# Altium PCB gateway.PcbDoc (part 1 of 4) (continued)
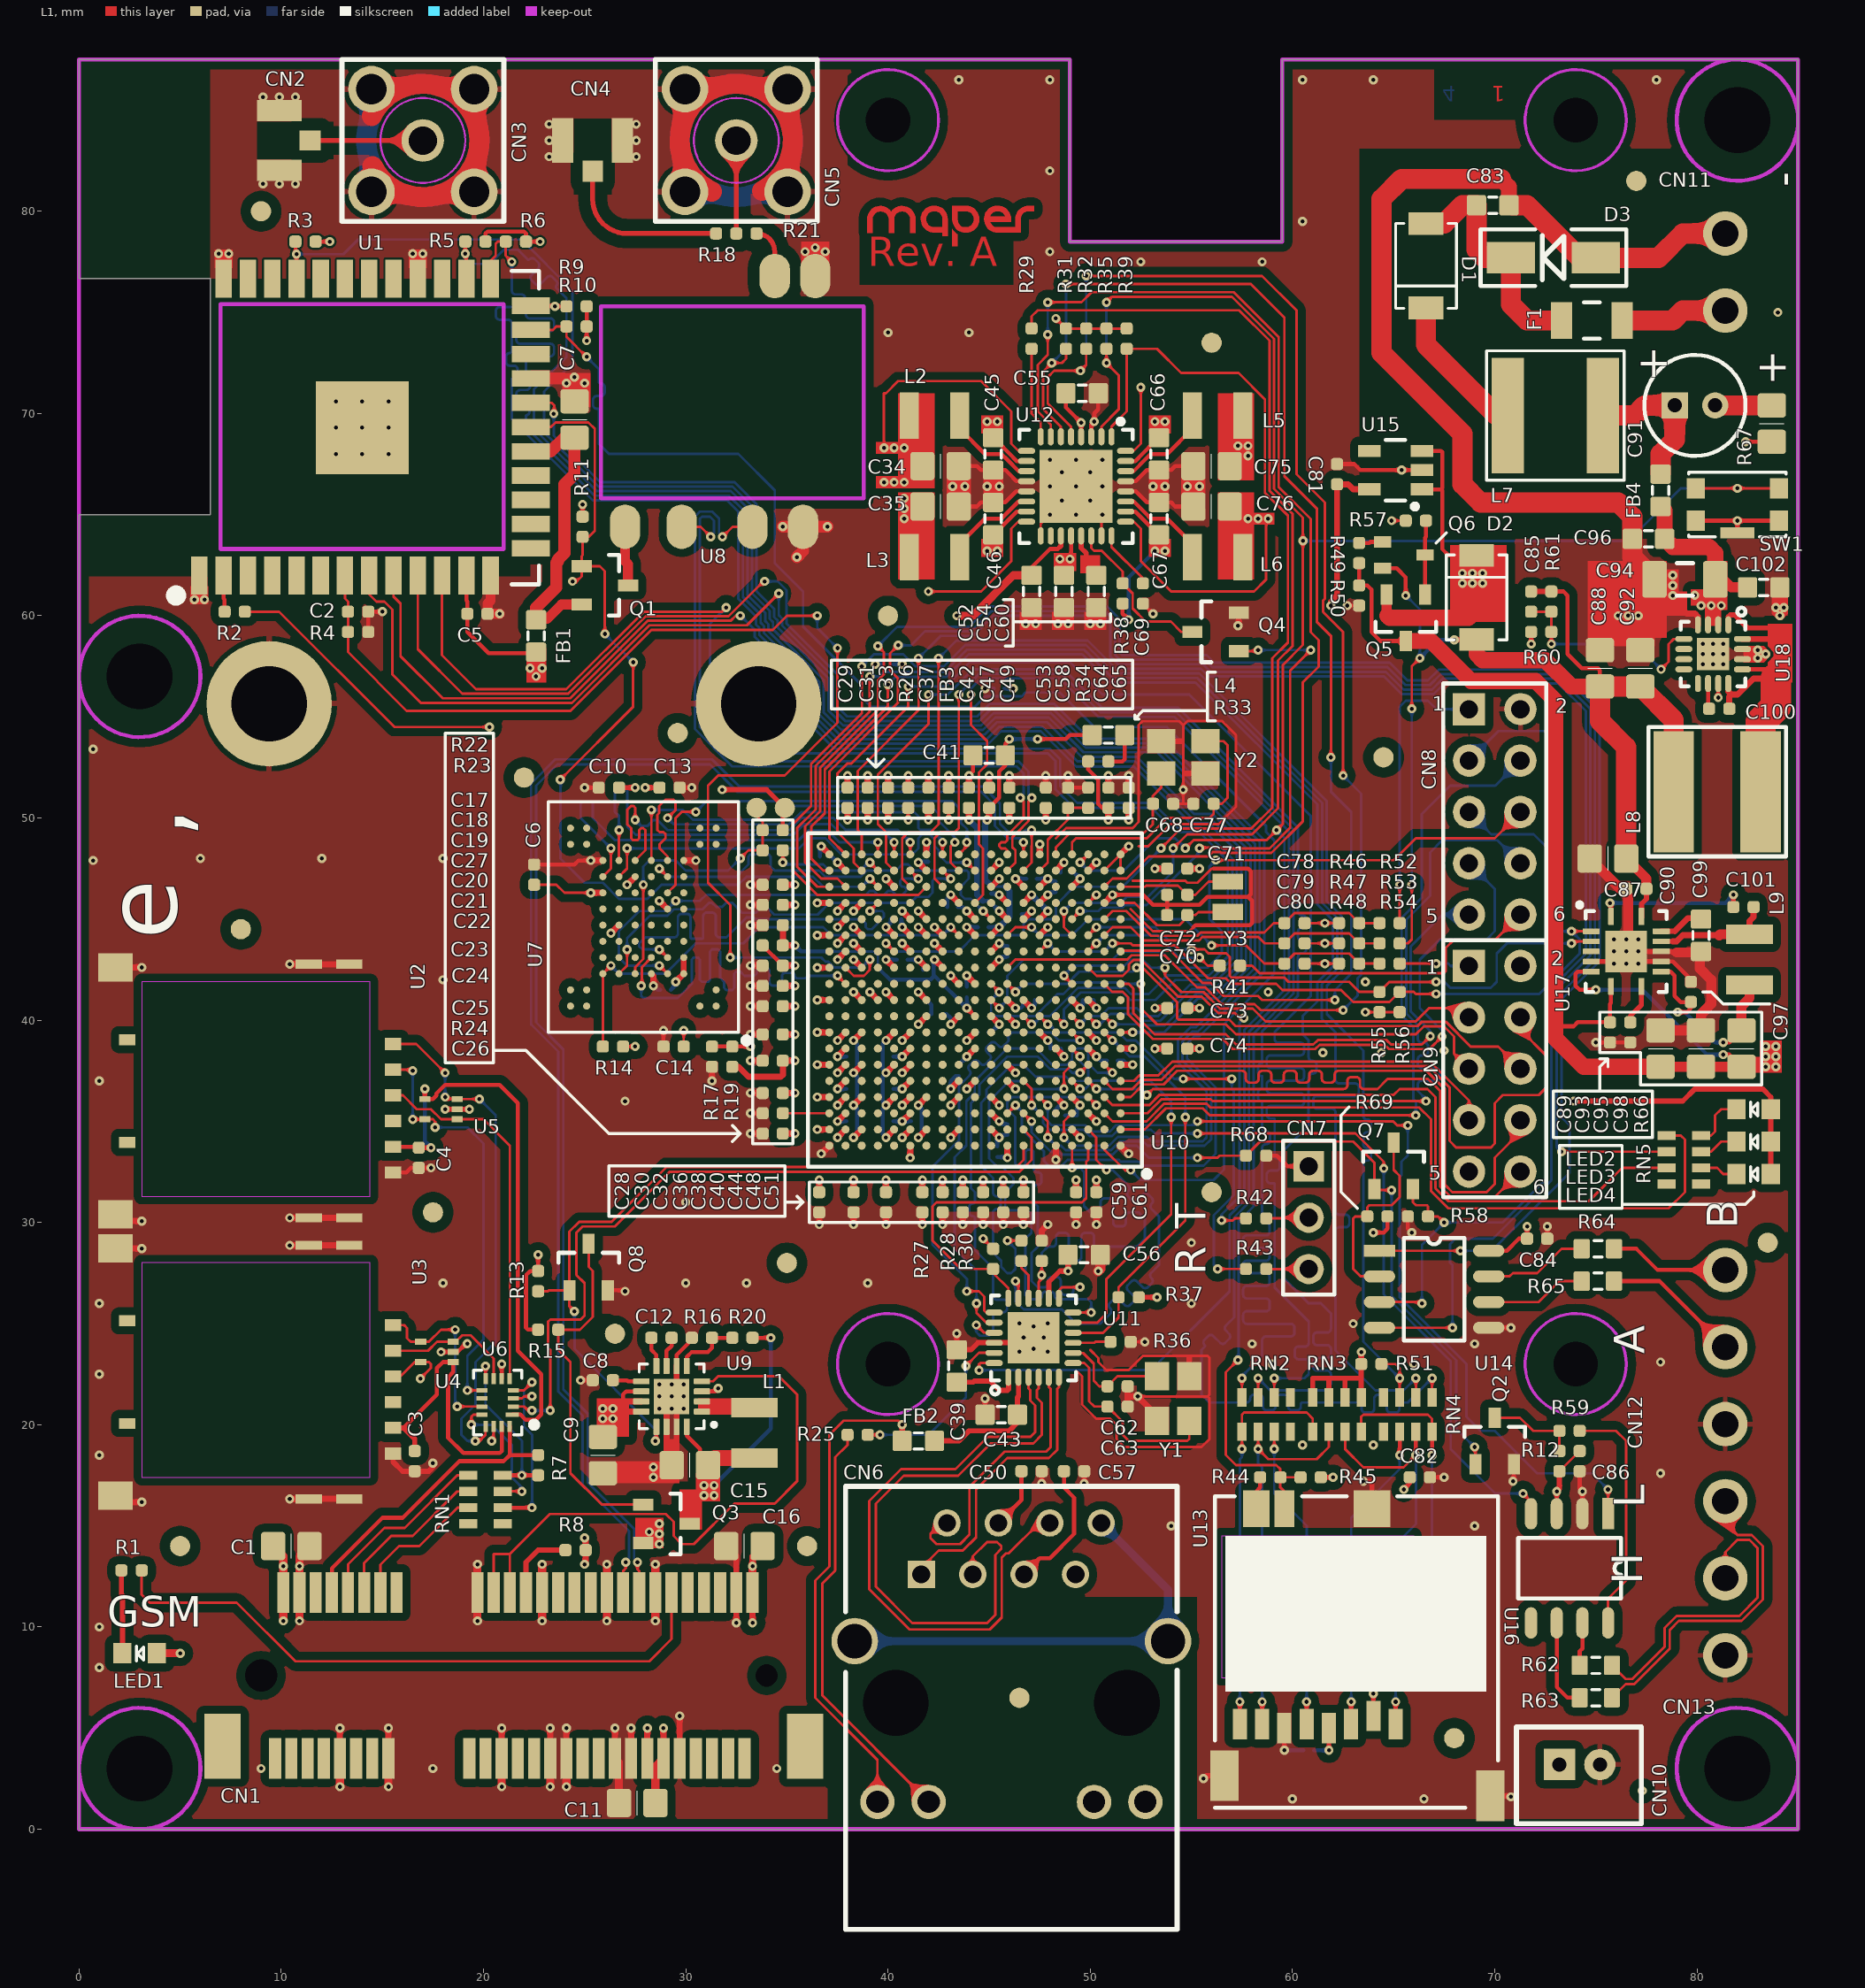
[diagram p0: L1 view]
## Components (designator, comment, footprint, x,y, rotation, side; value= is the part's Value field where it differs from the comment) (continued)
FB1 "CIS10P700AC" INDC1608X95N 22.6,59 r90 top
FB2 "CIS10P221NC" INDC1608X95N 41.5,19.2 r0 top
FB3 "BLM15AX121SN1D" INDC1005N 43,51 r270 top
FB4 "CIS10P700AC" INDC1608X95N 78.2,66.2 r270 top
L1 "1uH Irms=3.1A Isat=4.8A" INDC2520N 33.4,19.6 r270 top value=1uH
L2 "1.5uH Irms=2.6A Isat=3.7A" INDC2520N 42.3,69.9 r180 top value=1.5uH
L3 "1.5uH Irms=2.6A Isat=3.7A" INDC2520N 42.3,62.9 r180 top value=1.5uH
L4 "10uH Irms=300mA Isat=60mA Rdc=0.6R" INDC1608X95N 50.9,54.1 r180 top value=10uH
L5 "1.5uH Irms=2.6A Isat=3.7A" INDC2520N 56.3,69.9 r0 top value=1.5uH
L6 "1.5uH Irms=2.6A Isat=3.7A" INDC2520N 56.3,62.9 r0 top value=1.5uH
L7 "10uH Irms=? Isat=2.5A" NR6045 73,69.9 r0 top value=10uH
L8 "4.7uH Irms=? Isat=3.8A" SRN6045 81,51.3 r180 top value=4.7uH
L9 "1uH Irms=3.1A Isat=4.8A" INDC2520N 82.6,43 r270 top value=1uH
LED1 "LED (red)" LEDC1608N 3,8.7 r180 top
LED2 "LED (green)" LEDC1608N 82.8,35.6 r180 top
LED3 "LED (green)" LEDC1608N 82.8,34 r180 top
LED4 "LED (green)" LEDC1608N 82.8,32.4 r180 top
Q1 "Si2365EDS-T1-GE3" SOT95P230X110-3N 26,61.5 r0 top
Q2 "BSS138P,215" SOT95P230X110-3N 70,19.2 r90 top
Q3 "Si2365EDS-T1-GE3" SOT95P230X110-3N 29.05,15.1 r0 top
Q4 "BSS138P,215" SOT95P230X110-3N 56.2,59.2 r180 top
Q5 "Si2365EDS-T1-GE3" SOT95P230X110-3N 65.6,59.9 r270 top
Q6 "BC857BW,135" SOT65P210X110-3N 65.5,63 r0 top
Q7 "BSS138P,215" SOT95P230X110-3N 65,32.8 r90 top
Q8 "BSS138P,215" SOT95P230X110-3N 25.2,27.8 r90 top
R1 "240R 1% 50mW" RESC1005X40N 2.6,12.8 r180 top value=240R
R2 "75k 1% 50mW" RESC1005X40N 7.7,60.2 r0 top value=75k
R3 "10k 1% 50mW" RESC1005X40N 11.2,78.5 r180 top value=10k
R4 "10k 1% 50mW" RESC1005X40N 13.8,59.2 r0 top value=10k
R5 "75k 1% 50mW" RESC1005X40N 19.6,78.5 r180 top value=75k
R6 "75k 1% 50mW" RESC1005X40N 21.6,78.5 r180 top value=75k
R7 "10k 1% 50mW" RESC1005X40N 22.7,18 r270 top value=10k
R8 "0R 50mW" RESC1005X40N 24.55,13.8 r0 top value=0R
R9 "75k 1% 50mW" RESC1005X40N 24.6,75.3 r180 top value=75k
R10 "10k 1% 50mW" RESC1005X40N 24.6,74.3 r180 top value=10k
R11 "10k 1% 50mW" RESC1005X40N 24.9,64.4 r90 top value=10k
R12 "24k 1% 50mW" RESC1005X40N 73.7,18.7 r180 top value=24k
R13 "10k 1% 50mW" RESC1005X40N 22.7,27.1 r270 top value=10k
R14 "10k 1% 50mW" RESC1005X40N 26.4,38.7 r0 top value=10k
R15 "75k 1% 50mW" RESC1005X40N 23.2,24.7 r180 top value=75k
R16 "24k 1% 50mW" RESC1005X40N 30.8,24.3 r180 top value=24k
R17 "1.8k 1% 50mW" RESC1005X40N 31.3,38.2 r90 top value=1.8k
R18 "0R 50mW" RESC1005X40N 32,78.9 r0 top value=0R
R19 "1.8k 1% 50mW" RESC1005X40N 32.3,38.2 r270 top value=1.8k
R20 "75k 1% 50mW" RESC1005X40N 32.8,24.3 r180 top value=75k
R21 "0R 50mW" RESC1005X40N 33,78.9 r180 top value=0R
R22 "75k 1% 50mW" RESC1005X40N 34.3,49.4 r0 top value=75k
R23 "1k 1% 50mW" RESC1005X40N 34.3,48.4 r0 top value=1k
R24 "240R 1% 50mW" RESC1005X40N 34.3,35.4 r0 top value=240R
R25 "240R 1% 50mW" RESC1005X40N 38.5,19.5 r0 top value=240R
R26 "2.2R 1% 50mW" RESC1005X40N 41,51 r270 top value=2.2R
R27 "10k 1% 50mW" RESC1005X40N 45.2,28.2 r270 top value=10k
R28 "27R 1% 50mW" RESC1005X40N 46.6,28.6 r90 top value=27R
R29 "1k 1% 50mW" RESC1005X40N 47.1,73.7 r270 top value=1k
R30 "10k 1% 50mW" RESC1005X40N 47.6,28.6 r270 top value=10k
R31 "5.62k 1% 50mW" RESC1005X40N 48.8,73.7 r90 top value=5.62k
R32 "5.62k 1% 50mW" RESC1005X40N 49.8,73.7 r90 top value=5.62k
R33 "2.2R 1% 50mW" RESC1005X40N 50.4,52.8 r0 top value=2.2R
R34 "5.62k 1% 50mW" RESC1005X40N 49.9,51 r90 top value=5.62k
R35 "10k 1% 50mW" RESC1005X40N 50.8,73.7 r90 top value=10k
R36 "6.49k 1% 50mW" RESC1005X40N 51.5,24.1 r180 top value=6.49k
R37 "1.8k 1% 50mW" RESC1005X40N 51.9,26.3 r180 top value=1.8k
R38 "75k 1% 50mW" RESC1005X40N 51.6,61.1 r270 top value=75k
R39 "10k 1% 50mW" RESC1005X40N 51.8,73.7 r90 top value=10k
R41 "27R 1% 50mW" RESC1005X40N 56.9,42.7 r0 top value=27R
R42 "240R 1% 50mW" RESC1005X40N 58.2,30.2 r0 top value=240R
R43 "240R 1% 50mW" RESC1005X40N 58.2,27.7 r0 top value=240R
R44 "0R 50mW" RESC1005X40N 58.9,17.4 r180 top value=0R
R45 "10k 1% 50mW" RESC1005X40N 60.9,17.4 r180 top value=10k
R46 "10k 1% 50mW" RESC1005X40N 62.8,44.8 r0 top value=10k
R47 "10k 1% 50mW" RESC1005X40N 62.8,43.8 r0 top value=10k
R48 "75k 1% 50mW" RESC1005X40N 62.8,42.8 r0 top value=75k
R49 "24k 1% 50mW" RESC1005X40N 63.3,63.1 r270 top value=24k
R50 "75k 1% 50mW" RESC1005X40N 63.3,61 r270 top value=75k
R51 "10k 1% 50mW" RESC1005X40N 63.9,23 r0 top value=10k
R52 "75k 1% 50mW" RESC1005X40N 64.8,44.8 r0 top value=75k
R53 "10k 1% 50mW" RESC1005X40N 64.8,43.8 r0 top value=10k
R54 "75k 1% 50mW" RESC1005X40N 64.8,42.8 r0 top value=75k
R55 "5.62k 1% 50mW" RESC1005X40N 64.3,40.9 r270 top value=5.62k
R56 "5.62k 1% 50mW" RESC1005X40N 65.3,40.9 r270 top value=5.62k
R57 "24k 1% 50mW" RESC1005X40N 66.1,64.7 r180 top value=24k
R58 "10k 1% 50mW" RESC1005X40N 66.2,30.3 r0 top value=10k
R59 "24k 1% 50mW" RESC1005X40N 73.7,19.7 r0 top value=24k
R60 "1.8k 1% 50mW" RESC1005X40N 72.3,59.2 r0 top value=1.8k
R61 "8.2k 1% 50mW" RESC1005X40N 72.8,60.7 r90 top value=8.2k
R62 "10R 1% 100mW" RESC1608X40N 75,8.1 r0 top value=10R
R63 "10R 1% 100mW" RESC1608X40N 75,6.5 r0 top value=10R
R64 "10R 1% 100mW" RESC1608X40N 75.1,28.7 r0 top value=10R
R65 "10R 1% 100mW" RESC1608X40N 75.1,27.1 r0 top value=10R
R66 "0.1R 1% 125mW" RESC2012X50N 82.2,38.6 r90 top value=0.1R
R67 "0.82R 1% 125mW" RESC2012X50N 83.7,69.5 r270 top value=0.82R
R68 "10k 1% 50mW" RESC1005X40N 58.2,33.3 r180 top value=10k
R69 "10k 1% 50mW" RESC1005X40N 64.2,30.3 r0 top value=10k
RN1 "27R 5% 250mW" YC164 20.1,16.3 r270 top value=27R
RN2 "27R 5% 250mW" YC164 58.7,20.5 r0 top value=27R
RN3 "100k 5% 250mW" YC164 62.2,20.5 r0 top value=100k
RN4 "27R 5% 250mW" YC164 65.7,20.5 r0 top value=27R
RN5 "330R 5% 250mW" YC164 79.35,33.1 r270 top value=330R
SW1 "KMR421GULCLFS" KMR4 82,65.5 r180 top
U1 "ATWILC3000-MR110UA" ATWILC3000-MR110CA 14,69.3 r90 top locked
U2 "786463001" 786463001 1.8,36.5 r180 top
U3 "786463001" 786463001 1.8,22.6 r180 top locked
U4 "DZQA5V6AXV5" SOTFL50P162X62-5N 17.7,23.6 r180 top
U5 "DZQA5V6AXV5" SOTFL50P162X62-5N 17.9,35.6 r180 top
U6 "NX3DV2567GU,115" XFQFN-16 20.7,21.1 r180 top
U7 "TC58NVG1S3HBAI4" VFBGA63-11X9 27.9,45.1 r180 top
U8 "RTL8188CUS module" GWF-7M01 38.8,64.5 r90 top
U9 "TLV62090RGTR" QFN50P300X300X100-17AN-2 29.3,21.4 r180 top
U10 "ATSAMA5D27C-LD2G-CU" TFBGA-361-16X16 44.3,41 r180 top locked
U11 "KSZ8081RNAIA-TR" QFN50P400X400X80-25N 47.2,24.3 r90 top
U12 "MCP16502TAC-E/S8B" QFN50P500X500X90-33N 49.3,66.4 r270 top
U13 "MEM2051-00-195-00-A" 101-00660-68-6+MEM2051-00-195-00-A_REVC 56.18,15.9 r0 top locked
U14 "ST3485EBDR" SOIC127P600X175-8N 67,26.7 r0 top
U15 "MCP1711T-30I/OT" SOT95P284X122-5N 65.1,67.2 r180 top
U16 "SN65HVD231DR" SOIC127P600X175-8N 73.7,12.9 r270 top
U17 "BQ24155RGYR" VQFN14 76.5,43.4 r0 top
U18 "TS30042-M000QFNR" QFN50P300X300X100-17AN 80.8,58.1 r270 top
Y1 "TSX-3225 25.0000MF10P-C0" XTAL3.2x2.5 54.1,21.3 r270 top value="25MHz 20ppm CL=18pF ESR=40ohm"
Y2 "ECS-120-12-33-AGN-TR" XTAL3.2x2.5 54.6,53 r0 top value="12MHz 20ppm CL=12pF ESR=100ohm"
Y3 "CM8V-T1A-32.768kHz-12.5pF-20PPM-TA-QC" XTAL2.0x1.2 56.8,46.1 r90 top value="32.768kHz 12.5pF"

## Footprints (in the part's own frame and the unit in brackets; to place one, negate y for a bottom-side part, rotate by r counter-clockwise, add the part's x,y. Pads: shape width x height; smd on the part's side, far side on the other; paste and mask are expansions set on the pad)
101-00660-68-6+MEM2051-00-195-00-A_REVC [mm] "FCI microSD connector"
  rect 0.7x1.5 smd: 1(8.92,-10.7) 2(7.82,-10.3) 3(6.72,-10.7) 4(5.62,-10.9) 5(4.52,-10.7) 6(3.42,-10.9) 7(2.32,-10.7) 8(1.22,-10.7)
  rect 1.3x1.8 smd: G1(2.03,-0.05)
  rect 1.4x2.5 smd: MH1(13.6,-14.25) MH2(0.45,-13.25)
  rect 1.8x1.8 smd: S1(7.75,-0.05)
  rect 1x1.8 smd: S2(3.42,-0.05)
  L1 keep-out region: 0.73,-5.67 9.43,-5.67 9.43,-3.37 0.73,-3.37
  silkscreen extent -0.02,-14.84 13.98,0.56, body extent -0.05,-20.1 14.05,0.6, height 1.95
2041262-1 [mm]
  rect 0.6x2 smd: 1(-11.8,-4.1) 2(-11.4,4.1) 3(-11,-4.1) 4(-10.6,4.1) 5(-10.2,-4.1) 6(-9.8,4.1) 7(-9.4,-4.1) 8(-9,4.1) 9(-8.6,-4.1) 10(-8.2,4.1) 11(-7.8,-4.1) 12(-7.4,4.1) 13(-7,-4.1) 14(-6.6,4.1) 15(-6.2,-4.1) 16(-5.8,4.1) 17(-2.2,-4.1) 18(-1.8,4.1) 19(-1.4,-4.1) 20(-1,4.1) 21(-0.6,-4.1) 22(-0.2,4.1) 23(0.2,-4.1) 24(0.6,4.1) 25(1,-4.1) 26(1.4,4.1) 27(1.8,-4.1) 28(2.2,4.1) 29(2.6,-4.1) 30(3,4.1) 31(3.4,-4.1) 32(3.8,4.1) 33(4.2,-4.1) 34(4.6,4.1) 35(5,-4.1) 36(5.4,4.1) 37(5.8,-4.1) 38(6.2,4.1) 39(6.6,-4.1) 40(7,4.1) 41(7.4,-4.1) 42(7.8,4.1) 43(8.2,-4.1) 44(8.6,4.1) 45(9,-4.1) 46(9.4,4.1) 47(9.8,-4.1) 48(10.2,4.1) 49(10.6,-4.1) 50(11,4.1) 51(11.4,-4.1) 52(11.8,4.1)
  rect 1.8x3.2 smd: H1(-14.4,-3.5) H2(14.4,-3.5)
  round 6.2 / inner round 0 / far side round 0 hole 3.73: S1(-12.1,48.05) S2(12.1,48.05)
  round 0 hole 1.6 unplated: ""(-12.5,0)
  round 0 hole 1.1 unplated: ""(12.5,0)
  body extent -15,-4.77 15,50.9, height 7.85
0733910320 [mm] "RPSMA"
  round 2.3 hole 1.5: 1(-2.54,2.54) 2(2.54,2.54) 3(2.54,-2.54) 4(-2.54,-2.54)
  round 2.1 hole 1.4: 5(0,0)
  silkscreen extent -4,-4 4,4, body extent -11.7,-3.2 3.2,3.2, height 9.6
786463001 [mm]
  rect 0.8x0.6 smd: 1(-13.73,2.755) 2(-13.73,0.215) 3(-13.73,-2.325) 5(-13.73,4.025) 6(-13.73,1.485) 7(-13.73,-1.055)
  rect 1.7x1.4 smd: G1(0,6.1) G6(0,-6.11)
  rect 1.3x0.45 smd: G2(-9.56,6.27) G3(-11.56,6.27) G4(-11.56,-6.27) G5(-9.56,-6.27)
  rect 0.8x0.54 smd: X1(-0.58,2.54) X1(-0.58,-2.54)
  body extent -14.15,-6.54 1.3,6.51, height 1.41
ATWILC3000-MR110CA [mm]
  rect 1.88x0.813 smd: 1(-7.31,8.05) 2(-7.31,6.85) 3(-7.31,5.65) 4(-7.31,4.45) 5(-7.31,3.25) 6(-7.31,2.05) 7(-7.31,0.85) 8(-7.31,-0.35) 9(-7.31,-1.55) 10(-7.31,-2.75) 11(-7.31,-3.95) 12(-7.31,-5.15) 13(-7.31,-6.35) 25(7.37,-6.35) 26(7.37,-5.15) 27(7.37,-3.95) 28(7.37,-2.75) 29(7.37,-1.55) 30(7.37,-0.35) 31(7.37,0.85) 32(7.37,2.05) 33(7.37,3.25) 34(7.37,4.45) 35(7.37,5.65) 36(7.37,6.85)
  rect 0.813x1.88 smd: 14(-5.97,-8.33) 15(-4.77,-8.33) 16(-3.57,-8.33) 17(-2.37,-8.33) 18(-1.17,-8.33) 19(0.03,-8.33) 20(1.23,-8.33) 21(2.43,-8.33) 22(3.63,-8.33) 23(4.83,-8.33) 24(6.03,-8.33)
  rect 4.6x4.6 smd paste-5: 37(0,0)
  silkscreen extent -8.55,-8.75 7.75,9.45, body extent -7.34,-8.33 7.34,14.05, height 2.73
B2B-PH-K-S(LF)(SN) [mm]
  rect 1.55x1.55 hole 0.7: 1(-1,0)
  round 1.55 hole 0.7: 2(1,0)
  silkscreen extent -3.12,-2.92 3.05,1.85, body extent -3,-2.77 2.9,1.73, height 6
CAPC0603N [mm] "Chip Capacitor, 2-Leads, Body 0.6x0.3mm, IPC Medium Density"
  rrect50% 0.275x0.3 smd mask+0.05: 1(-0.262,0) 2(0.262,0)
  body extent -0.3,-0.15 0.3,0.15, height 0.28
CAPC1005N [mm] "Chip Capacitor, Body 1.0x0.5mm, IPC Medium Density"
  rrect50% 0.6x0.6 smd: 1(-0.5,0) 2(0.5,0)
  body extent -0.5,-0.25 0.5,0.25, height 0.5
CAPC1608X90N [mm] "Chip Capacitor, Body 1.6x0.8mm, IPC Medium Density"
  rrect20% 0.95x1 smd: 1(-0.8,0) 2(0.8,0)
  silkscreen extent -0.2,-0.4 0.2,0.4, body extent -0.85,-0.48 0.85,0.48, height 0.9
CAPC2012X140N [mm] "Chip Resistor, Body 2.0x1.3mm, IPC Medium Density"
  rrect25% 1.2x1.4 smd: 1(-0.9,0) 2(0.9,0)
  silkscreen extent 0,-0.6 0,0.6, body extent -1.07,-0.7 1.07,0.7, height 1.4
CAPC3216X180N [mm] "Chip Capacitor, Body 3.2x1.6mm, IPC Medium Density"
  rrect20% 1.2x1.8 smd: 1(-1.5,0) 2(1.5,0)
  silkscreen extent -0.4,-0.8 0.4,0.8, body extent -1.68,-0.87 1.68,0.87, height 1.8
CAPPR2-5x12 [mm] "Capacitor, Electrolytic, Radial; Body 5 x 12 mm (Dia.xH typ); Pin Spacing 2 mm (typ)"
  rect 1.3x1.3 hole 0.7: 1(-1,0)
  round 1.3 hole 0.7: 2(1,0)
  silkscreen extent -2.5,-2.5 2.5,2.5, body extent -2.49,-2.5 2.49,2.49, height 12
DIOM5226X203N [mm] "DO-214-AC/SMA; 2 C-Bend Leads; Body 5.3 x 2.6 mm, inc. leads (LxW)"
  rect 2.4x1.55 smd: 1(-2.1,0) 2(2.1,0)
  silkscreen extent -3.6,-1.4 3.6,1.4, body extent -2.7,-1.3 2.7,1.3, height 2.03
EK381-02P [mm]
  round 2.2 hole 1.3: 1L(0,0) 2L(3.81,0)
  body extent -1.91,-3.6 5.71,3.8, height 8.5
EK381-03P [mm]
  round 2.2 hole 1.3: 1L(0,0) 2L(3.81,0) 3L(7.62,0)
  body extent -1.91,-3.6 9.52,3.8, height 8.5
GWF-7M01 [mm]
  oval 2.2x1.5 smd: 1(-0.1,11.8) 2(-0.1,9) 3(-0.1,5.5) 4(-0.1,3) 5(12.3,2.4) 6(12.3,4.4)
  body extent 0,0 12.2,13, height 2
HDR1X3 [mm] "Connector; Header; 3x1 Position"
  rect 1.5x1.5 hole 0.9: 1(0,0)
  round 1.5 hole 0.9: 2(2.54,0) 3(5.08,0)
  silkscreen extent -1.27,-1.27 6.35,1.27
"HDR2x5-0.1\"" [mm] "TH FEMALE PIN H8.1 P2.54"
  rect 1.6x1.6 hole 0.9: 1(-5.08,-1.27)
  round 1.6 hole 0.9: 2(-5.08,1.27) 3(-2.54,-1.27) 4(-2.54,1.27) 5(0,-1.27) 6(0,1.27) 7(2.54,-1.27) 8(2.54,1.27) 9(5.08,-1.27) 10(5.08,1.27)
  silkscreen extent -6.35,-2.54 6.35,2.54, body extent -6.29,-2.54 6.41,2.54, height 8.38
HR911105A [mm]
  rect 1.35x1.35 hole 0.89: 1(4.45,-6.35)
  round 1.35 hole 0.89: 2(3.18,-8.89) 3(1.91,-6.35) 4(0.64,-8.89) 5(-0.63,-6.35) 6(-1.9,-8.89) 7(-3.17,-6.35) 8(-4.44,-8.89)
  round 1.7 hole 1.1: 9(6.625,4.9) 10(4.085,4.9) 11(-4.085,4.9) 12(-6.625,4.9)
  round 2.3 hole 1.7: 13(7.745,-3.05) 14(-7.745,-3.05)
  round 0 hole 3.25 unplated: ""(-5.715,0) ""(5.715,0)
  silkscreen extent -8.2,-10.7 8.2,11.2, body extent -7.95,-10.45 7.93,10.95, height 13.5
INDC1005N [mm] "Chip Inductor, Body 1.0x0.5mm, IPC Medium Density"
  rrect50% 0.6x0.6 smd: 1(-0.5,0) 2(0.5,0)
  body extent -0.5,-0.25 0.5,0.25, height 0.5
INDC1608X95N [mm] "Chip Inductor, Body 1.6x0.8mm, IPC Medium Density"
  rrect20% 0.95x1 smd: 1(-0.8,0) 2(0.8,0)
  silkscreen extent -0.2,-0.4 0.2,0.4, body extent -0.85,-0.48 0.85,0.48, height 0.95
INDC2520N [mm] "Chip Inductor, Body 2.5x2.0mm, IPC Medium Density"
  rect 0.95x2.3 smd: 1(-1.25,0) 2(1.25,0)
  body extent -1.3,-1 1.3,1, height 0.65
KMR4 [mm]
  rect 1.7x0.55 smd: 0(0,1.4)
  rect 0.9x1 smd: 1(-2.05,-0.8) 2(2.05,-0.8) 3(2.05,0.8) 4(-2.05,0.8)
  silkscreen extent -2.4,-1.6 2.4,1.6, body extent -2.3,-1.4 2.3,1.4, height 1.89
LEDC1608N [mm] "Chip LED, Body 1.6x0.8mm, IPC Medium Density"
  rect 0.9x1 smd: 1(-0.85,0) 2(0.85,0)
  silkscreen extent -0.2,-0.35 0.15,0.38, body extent -0.85,-0.48 0.85,0.48, height 0.6
NR6045 [mm]
  rect 1.6x5.7 smd: 1(-2.35,0) 2(2.35,0)
  silkscreen extent -3.4,-3.2 3.4,3.2, body extent -3.1,-3.1 3.1,3.1, height 4.5
QFN50P300X300X100-17AN [mm]
  rect 1.6x1.6 smd paste-100: 0(0,0)
  oval 0.85x0.3 smd: 1(-1.45,0.75) 2(-1.45,0.25) 3(-1.45,-0.25) 4(-1.45,-0.75) 9(1.45,-0.75) 10(1.45,-0.25) 11(1.45,0.25) 12(1.45,0.75)
  oval 0.3x0.85 smd: 5(-0.75,-1.45) 6(-0.25,-1.45) 7(0.25,-1.45) 8(0.75,-1.45) 13(0.75,1.45) 14(0.25,1.45) 15(-0.25,1.45) 16(-0.75,1.45)
  silkscreen extent -2.3,-1.6 1.6,1.6, body extent -1.5,-1.5 1.5,1.5, height 0.8
QFN50P300X300X100-17AN-2 [mm]
  rect 1.75x1.75 smd paste-100: 0(0,0)
  rrect25% 0.8x0.3 smd paste-0.03 mask+0.07: 1(-1.5,0.75) 2(-1.5,0.25) 3(-1.5,-0.25) 4(-1.5,-0.75) 9(1.5,-0.75) 10(1.5,-0.25) 11(1.5,0.25) 12(1.5,0.75)
  rrect25% 0.3x0.8 smd paste-0.03 mask+0.07: 5(-0.75,-1.5) 6(-0.25,-1.5) 7(0.25,-1.5) 8(0.75,-1.5) 13(0.75,1.5) 14(0.25,1.5) 15(-0.25,1.5) 16(-0.75,1.5)
  silkscreen extent -2.2,-1.6 1.6,1.6, body extent -1.5,-1.5 1.5,1.5, height 1
QFN50P400X400X80-25N [mm] "QFN,0.50mm pitch,square;24 pin,4.00mm L X 4.00mm W X 0.75mm H body (w/thermal tab)"
  rect 2.55x2.55 smd paste-5: 0(0,0)
  oval 0.85x0.3 smd: 1(-1.95,1.25) 2(-1.95,0.75) 3(-1.95,0.25) 4(-1.95,-0.25) 5(-1.95,-0.75) 6(-1.95,-1.25) 13(1.95,-1.25) 14(1.95,-0.75) 15(1.95,-0.25) 16(1.95,0.25) 17(1.95,0.75) 18(1.95,1.25)
  oval 0.3x0.85 smd: 7(-1.25,-1.95) 8(-0.75,-1.95) 9(-0.25,-1.95) 10(0.25,-1.95) 11(0.75,-1.95) 12(1.25,-1.95) 19(1.25,1.95) 20(0.75,1.95) 21(0.25,1.95) 22(-0.25,1.95) 23(-0.75,1.95) 24(-1.25,1.95)
  silkscreen extent -2.8,-2.1 2.1,2.1, body extent -2,-2 2,2, height 0.8
QFN50P500X500X90-33N [mm]
  rect 3.6x3.6 smd paste-1000: 0(0,0)
  oval 0.85x0.3 smd paste-0.05 mask+0.1: 1(-2.45,1.75) 2(-2.45,1.25) 3(-2.45,0.75) 4(-2.45,0.25) 5(-2.45,-0.25) 6(-2.45,-0.75) 7(-2.45,-1.25) 8(-2.45,-1.75) 17(2.45,-1.75) 18(2.45,-1.25) 19(2.45,-0.75) 20(2.45,-0.25) 21(2.45,0.25) 22(2.45,0.75) 23(2.45,1.25) 24(2.45,1.75)
  oval 0.3x0.85 smd paste-0.05 mask+0.1: 9(-1.75,-2.45) 10(-1.25,-2.45) 11(-0.75,-2.45) 12(-0.25,-2.45) 13(0.25,-2.45) 14(0.75,-2.45) 15(1.25,-2.45) 16(1.75,-2.45) 25(1.75,2.45) 26(1.25,2.45) 27(0.75,2.45) 28(0.25,2.45) 29(-0.25,2.45) 30(-0.75,2.45) 31(-1.25,2.45) 32(-1.75,2.45)
  silkscreen extent -3.32,-2.8 2.8,2.8, body extent -2.5,-2.5 2.5,2.5, height 0.8
RESC1005X40N [mm] "Chip Capacitor, Body 1.0x0.5mm, IPC Medium Density"
  rrect50% 0.6x0.6 smd: 1(-0.5,0) 2(0.5,0)
  body extent -0.5,-0.25 0.5,0.25, height 0.4
RESC1608X40N [mm] "Chip Resistor, Body 1.6x0.8mm, IPC Medium Density"
  rrect20% 0.8x0.95 smd: 1(-0.8,0) 2(0.8,0)
  silkscreen extent -0.2,-0.4 0.2,0.4, body extent -0.85,-0.48 0.85,0.48, height 0.4
RESC2012X50N [mm] "Chip Resistor, Body 2.0x1.3mm, IPC Medium Density"
  rrect25% 1.2x1.4 smd: 1(-0.9,0) 2(0.9,0)
  silkscreen extent 0,-0.6 0,0.6, body extent -1.07,-0.7 1.07,0.7, height 0.5
RESC3216N [mm] "1206; Resistor,Chip;3.15mm L X 1.60mm W X 0.60mm H"
  rect 1.05x1.8 smd: 1(-1.5,0) 2(1.5,0)
  silkscreen extent -0.4,-0.9 0.4,0.9, body extent -1.6,-0.8 1.6,0.8, height 0.71
SODFL4725X105N [mm] "SOD-128; SOD Diode;3.70mm W X 2.50mm L X 1.05mm H body"
  rect 1.12x1.72 smd: 1(2.08,0) 2(-2.08,0)
  silkscreen extent -2.1,-1.5 2.1,1.5, body extent -2,-1.4 2,1.4, height 1.5
SOIC127P600X175-8N [mm]
  rect 1.55x0.6 smd: 1(-2.7,1.905)
  oval 1.55x0.6 smd: 2(-2.7,0.635) 3(-2.7,-0.635) 4(-2.7,-1.905) 5(2.7,-1.905) 6(2.7,-0.635) 7(2.7,0.635) 8(2.7,1.905)
  silkscreen extent -1.5,-2.54 1.5,2.54, body extent -2,-2.5 2,2.5, height 1.75
SOT65P210X110-3N [mm] "SOT323, 0.65mm,pitch;3 pin,1.25mm W X 2.00mm L X 1.10mm H body"
  rect 0.85x0.55 smd: 1(-1.05,0.65) 2(-1.05,-0.65) 3(1.05,0)
  body extent -0.63,-1 0.63,1, height 1.1
SOT95P230X110-3N [mm] "SOT23, 3-Leads, Body 2.9x1.3mm, Pitch 0.95mm, Lead Span 2.5mm, IPC Medium Density"
  rect 1x0.6 smd: 1(-1.15,0.95) 2(-1.15,-0.95) 3(1.15,0)
  silkscreen extent 0.2,-1.5 0.7,1.5, body extent -0.7,-1.5 0.7,1.5, height 1.1
SOT95P284X122-5N [mm] "SOT23, 5-Leads"
  rect 1.1x0.6 smd: 1(-1.3,0.95) 2(-1.3,0) 3(-1.3,-0.95) 4(1.3,-0.95) 5(1.3,0.95)
  silkscreen extent -1.07,-1.5 0.5,1.92, body extent -0.7,-1.5 0.7,1.5, height 1.1
SOTFL50P162X62-5N [mm] "SOTFL,0.50mm,pitch;5 pin,1.175mm W X 1.60mm L X 0.62mm H body"
  rect 0.56x0.3 smd: 1(-0.8,0.5) 2(-0.8,0) 3(-0.8,-0.5) 4(0.8,-0.5) 5(0.8,0.5)
  body extent -0.8,-0.8 0.8,0.8, height 0.62
SRN6045 [mm]
  rect 2x6 smd: 1(-2.15,0) 2(2.15,0)
  silkscreen extent -3.4,-3.2 3.4,3.2, body extent -3,-3 3,3, height 1.8
TFBGA-361-16X16 [mm] "361-Ball TFBGA, 16.00mm x 16.00mm, pitch 0.80mm"
  round 0.4 smd mask+0.05: A1(-7.2,7.2) A2(-6.4,7.2) A3(-5.6,7.2) A4(-4.8,7.2) A5(-4,7.2) A6(-3.2,7.2) A7(-2.4,7.2) A8(-1.6,7.2) A9(-0.8,7.2) A10(0,7.2) A11(0.8,7.2) A12(1.6,7.2) A13(2.4,7.2) A14(3.2,7.2) A15(4,7.2) A16(4.8,7.2) A17(5.6,7.2) A18(6.4,7.2) A19(7.2,7.2) B1(-7.2,6.4) B2(-6.4,6.4) B3(-5.6,6.4) B4(-4.8,6.4) B5(-4,6.4) B6(-3.2,6.4) B7(-2.4,6.4) B8(-1.6,6.4) B9(-0.8,6.4) B10(0,6.4) B11(0.8,6.4) B12(1.6,6.4) B13(2.4,6.4) B14(3.2,6.4) B15(4,6.4) B16(4.8,6.4) B17(5.6,6.4) B18(6.4,6.4) B19(7.2,6.4) C1(-7.2,5.6) C2(-6.4,5.6) C3(-5.6,5.6) C4(-4.8,5.6) C5(-4,5.6) C6(-3.2,5.6) C7(-2.4,5.6) C8(-1.6,5.6) C9(-0.8,5.6) C10(0,5.6) C11(0.8,5.6) C12(1.6,5.6) C13(2.4,5.6) C14(3.2,5.6) C15(4,5.6) C16(4.8,5.6) C17(5.6,5.6) C18(6.4,5.6) C19(7.2,5.6) D1(-7.2,4.8) D2(-6.4,4.8) D3(-5.6,4.8) D4(-4.8,4.8) D5(-4,4.8) D6(-3.2,4.8) D7(-2.4,4.8) D8(-1.6,4.8) D9(-0.8,4.8) D10(0,4.8) D11(0.8,4.8) D12(1.6,4.8) D13(2.4,4.8) D14(3.2,4.8) D15(4,4.8) D16(4.8,4.8) D17(5.6,4.8) D18(6.4,4.8) D19(7.2,4.8) E1(-7.2,4) E2(-6.4,4) E3(-5.6,4) E4(-4.8,4) E5(-4,4) E6(-3.2,4) E7(-2.4,4) E8(-1.6,4) E9(-0.8,4) E10(0,4) E11(0.8,4) E12(1.6,4) E13(2.4,4) E14(3.2,4) E15(4,4) E16(4.8,4) E17(5.6,4) E18(6.4,4) E19(7.2,4) F1(-7.2,3.2) F2(-6.4,3.2) F3(-5.6,3.2) F4(-4.8,3.2) F5(-4,3.2) F6(-3.2,3.2) F7(-2.4,3.2) F8(-1.6,3.2) F9(-0.8,3.2) F10(0,3.2) F11(0.8,3.2) F12(1.6,3.2) F13(2.4,3.2) F14(3.2,3.2) F15(4,3.2) F16(4.8,3.2) F17(5.6,3.2) F18(6.4,3.2) F19(7.2,3.2) G1(-7.2,2.4) G2(-6.4,2.4) G3(-5.6,2.4) G4(-4.8,2.4) G5(-4,2.4) G6(-3.2,2.4) G7(-2.4,2.4) G8(-1.6,2.4) G9(-0.8,2.4) G10(0,2.4) G11(0.8,2.4) G12(1.6,2.4) G13(2.4,2.4) G14(3.2,2.4) G15(4,2.4) G16(4.8,2.4) G17(5.6,2.4) G18(6.4,2.4) G19(7.2,2.4) H1(-7.2,1.6) H2(-6.4,1.6) H3(-5.6,1.6) H4(-4.8,1.6) H5(-4,1.6) H6(-3.2,1.6) H7(-2.4,1.6) H8(-1.6,1.6) H9(-0.8,1.6) H10(0,1.6) H11(0.8,1.6) H12(1.6,1.6) H13(2.4,1.6) H14(3.2,1.6) H15(4,1.6) H16(4.8,1.6) H17(5.6,1.6) H18(6.4,1.6) H19(7.2,1.6) J1(-7.2,0.8) J2(-6.4,0.8) J3(-5.6,0.8) J4(-4.8,0.8) J5(-4,0.8) J6(-3.2,0.8) J7(-2.4,0.8) J8(-1.6,0.8) J9(-0.8,0.8) J10(0,0.8) J11(0.8,0.8) J12(1.6,0.8) J13(2.4,0.8) J14(3.2,0.8) J15(4,0.8) J16(4.8,0.8) J17(5.6,0.8) J18(6.4,0.8) J19(7.2,0.8) K1(-7.2,0) K2(-6.4,0) K3(-5.6,0) K4(-4.8,0) K5(-4,0) K6(-3.2,0) K7(-2.4,0) K8(-1.6,0) K9(-0.8,0) K10(0,0) K11(0.8,0) K12(1.6,0) K13(2.4,0) K14(3.2,0) K15(4,0) K16(4.8,0) K17(5.6,0) K18(6.4,0) K19(7.2,0) L1(-7.2,-0.8) L2(-6.4,-0.8) L3(-5.6,-0.8) L4(-4.8,-0.8) L5(-4,-0.8) L6(-3.2,-0.8) L7(-2.4,-0.8) L8(-1.6,-0.8) L9(-0.8,-0.8) L10(0,-0.8) L11(0.8,-0.8) L12(1.6,-0.8) L13(2.4,-0.8) L14(3.2,-0.8) L15(4,-0.8) L16(4.8,-0.8) L17(5.6,-0.8) L18(6.4,-0.8) L19(7.2,-0.8) M1(-7.2,-1.6) M2(-6.4,-1.6) M3(-5.6,-1.6) M4(-4.8,-1.6) M5(-4,-1.6) M6(-3.2,-1.6) M7(-2.4,-1.6) M8(-1.6,-1.6) M9(-0.8,-1.6) M10(0,-1.6) M11(0.8,-1.6) M12(1.6,-1.6) M13(2.4,-1.6) M14(3.2,-1.6) M15(4,-1.6) M16(4.8,-1.6) M17(5.6,-1.6) M18(6.4,-1.6) M19(7.2,-1.6) N1(-7.2,-2.4) N2(-6.4,-2.4) N3(-5.6,-2.4) N4(-4.8,-2.4) N5(-4,-2.4) N6(-3.2,-2.4) N7(-2.4,-2.4) N8(-1.6,-2.4) N9(-0.8,-2.4) N10(0,-2.4) N11(0.8,-2.4) N12(1.6,-2.4) N13(2.4,-2.4) N14(3.2,-2.4) N15(4,-2.4) N16(4.8,-2.4) N17(5.6,-2.4) N18(6.4,-2.4) N19(7.2,-2.4) P1(-7.2,-3.2) P2(-6.4,-3.2) P3(-5.6,-3.2) P4(-4.8,-3.2) P5(-4,-3.2) P6(-3.2,-3.2) P7(-2.4,-3.2) P8(-1.6,-3.2) P9(-0.8,-3.2) P10(0,-3.2) P11(0.8,-3.2) P12(1.6,-3.2) P13(2.4,-3.2) P14(3.2,-3.2) P15(4,-3.2) P16(4.8,-3.2) P17(5.6,-3.2) P18(6.4,-3.2) P19(7.2,-3.2) R1(-7.2,-4) R2(-6.4,-4) R3(-5.6,-4) R4(-4.8,-4) R5(-4,-4) R6(-3.2,-4) R7(-2.4,-4) R8(-1.6,-4) R9(-0.8,-4) R10(0,-4) R11(0.8,-4) R12(1.6,-4) R13(2.4,-4) R14(3.2,-4) R15(4,-4) R16(4.8,-4) R17(5.6,-4) R18(6.4,-4) R19(7.2,-4) T1(-7.2,-4.8) T2(-6.4,-4.8) T3(-5.6,-4.8) T4(-4.8,-4.8) T5(-4,-4.8) T6(-3.2,-4.8) T7(-2.4,-4.8) T8(-1.6,-4.8) T9(-0.8,-4.8) T10(0,-4.8) T11(0.8,-4.8) T12(1.6,-4.8) T13(2.4,-4.8) T14(3.2,-4.8) T15(4,-4.8) T16(4.8,-4.8) T17(5.6,-4.8) T18(6.4,-4.8) T19(7.2,-4.8) U1(-7.2,-5.6) U2(-6.4,-5.6) U3(-5.6,-5.6) U4(-4.8,-5.6) U5(-4,-5.6) U6(-3.2,-5.6) U7(-2.4,-5.6) U8(-1.6,-5.6) U9(-0.8,-5.6) U10(0,-5.6) U11(0.8,-5.6) U12(1.6,-5.6) U13(2.4,-5.6) U14(3.2,-5.6) U15(4,-5.6) U16(4.8,-5.6) U17(5.6,-5.6) U18(6.4,-5.6) U19(7.2,-5.6) V1(-7.2,-6.4) V2(-6.4,-6.4) V3(-5.6,-6.4) V4(-4.8,-6.4) V5(-4,-6.4) V6(-3.2,-6.4) V7(-2.4,-6.4) V8(-1.6,-6.4) V9(-0.8,-6.4) V10(0,-6.4) V11(0.8,-6.4) V12(1.6,-6.4) V13(2.4,-6.4) V14(3.2,-6.4) V15(4,-6.4) V16(4.8,-6.4) V17(5.6,-6.4) V18(6.4,-6.4) V19(7.2,-6.4) W1(-7.2,-7.2) W2(-6.4,-7.2) W3(-5.6,-7.2) W4(-4.8,-7.2) W5(-4,-7.2) W6(-3.2,-7.2) W7(-2.4,-7.2) W8(-1.6,-7.2) W9(-0.8,-7.2) W10(0,-7.2) W11(0.8,-7.2) W12(1.6,-7.2) W13(2.4,-7.2) W14(3.2,-7.2) W15(4,-7.2) W16(4.8,-7.2) W17(5.6,-7.2) W18(6.4,-7.2) W19(7.2,-7.2)
  silkscreen extent -8.65,-8.25 8.25,8.75, body extent -8,-8 8,8, height 1.2
U.FL-R-SMT-1 [mm]
  rect 1x1.05 smd: 1(0,-1.525)
  rect 1.05x2.2 smd: 2(1.475,0) 3(-1.475,0)
  body extent -1.5,-1.53 1.5,1.57, height 1.25
VFBGA63-11X9 [mm]
  round 0.35 smd paste+0 mask+0.075: A1(-3.6,4.4) A2(-2.8,4.4) A9(2.8,4.4) A10(3.6,4.4) B1(-3.6,3.6) B9(2.8,3.6) B10(3.6,3.6) C3(-2,2.8) C4(-1.2,2.8) C5(-0.4,2.8) C6(0.4,2.8) C7(1.2,2.8) C8(2,2.8) D3(-2,2) D4(-1.2,2) D5(-0.4,2) D6(0.4,2) D7(1.2,2) D8(2,2) E3(-2,1.2) E4(-1.2,1.2) E5(-0.4,1.2) E6(0.4,1.2) E7(1.2,1.2) E8(2,1.2) F3(-2,0.4) F4(-1.2,0.4) F5(-0.4,0.4) F6(0.4,0.4) F7(1.2,0.4) F8(2,0.4) G3(-2,-0.4) G4(-1.2,-0.4) G5(-0.4,-0.4) G6(0.4,-0.4) G7(1.2,-0.4) G8(2,-0.4) H3(-2,-1.2) H4(-1.2,-1.2) H5(-0.4,-1.2) H6(0.4,-1.2) H7(1.2,-1.2) H8(2,-1.2) J3(-2,-2) J4(-1.2,-2) J5(-0.4,-2) J6(0.4,-2) J7(1.2,-2) J8(2,-2) K3(-2,-2.8) K4(-1.2,-2.8) K5(-0.4,-2.8) K6(0.4,-2.8) K7(1.2,-2.8) K8(2,-2.8) L1(-3.6,-3.6) L2(-2.8,-3.6) L9(2.8,-3.6) L10(3.6,-3.6) M1(-3.6,-4.4) M2(-2.8,-4.4) M9(2.8,-4.4) M10(3.6,-4.4)
  silkscreen extent -5.25,-5.7 4.7,6.25, body extent -4.5,-5.5 4.5,5.5, height 1
VQFN14 [mm] "14-VQFN (3.5x3.5)"
  rect 2.05x2.05 smd paste-5: 0(0,0)
  rrect25% 0.28x0.85 smd paste-0.03 mask+0.07: 1(-0.75,1.73) 7(-0.75,-1.73) 8(0.75,-1.73) 14(0.75,1.73)
  rrect25% 0.85x0.28 smd paste-0.03 mask+0.07: 2(-1.73,1) 3(-1.73,0.5) 4(-1.73,0) 5(-1.73,-0.5) 6(-1.73,-1) 9(1.73,-1) 9(1.73,-1) 10(1.73,-0.5) 11(1.73,0) 12(1.73,0.5) 13(1.73,1)
  silkscreen extent -2.4,-2 2,2.4, body extent -1.88,-1.88 1.88,1.88, height 1
XFQFN-16 [mm]
  rect 0.65x0.22 smd paste-0.02 mask+0.125: 1(-0.725,0.6)
  rect 0.55x0.22 smd paste-0.02 mask+0.125: 2(-0.775,0.2) 3(-0.775,-0.2) 4(-0.775,-0.6) 9(0.775,-0.6) 10(0.775,-0.2) 11(0.775,0.2) 12(0.775,0.6)
  rect 0.22x0.55 smd paste-0.02 mask+0.125: 5(-0.6,-1.175) 6(-0.2,-1.175) 7(0.2,-1.175) 8(0.6,-1.175) 13(0.6,1.175) 14(0.2,1.175) 15(-0.2,1.175) 16(-0.6,1.175)
  body extent -1.05,-1.45 1.05,1.45, height 0.8
XTAL2.0x1.2 [mm]
  rect 0.8x1.5 smd: 1(-0.75,0) 2(0.75,0)
  body extent -1,-0.6 1,0.6, height 0.6
XTAL3.2x2.5 [mm]
  rect 1.4x1.2 smd: 1(-1.1,-0.8) 2(1.1,-0.8) 3(1.1,0.8) 4(-1.1,0.8)
  body extent -1.6,-1.3 1.6,1.3, height 3
YC164 [mm]
  rect 0.45x0.9 smd paste-0.03: 1(-1.2,-0.85) 2(-0.4,-0.85) 3(0.4,-0.85) 4(1.2,-0.85) 5(1.2,0.85) 6(0.4,0.85) 7(-0.4,0.85) 8(-1.2,0.85)
  body extent -1.6,-0.8 1.6,0.8, height 0.45